# Altium PCB PCB.PcbDoc (part 1 of 3) (continued)
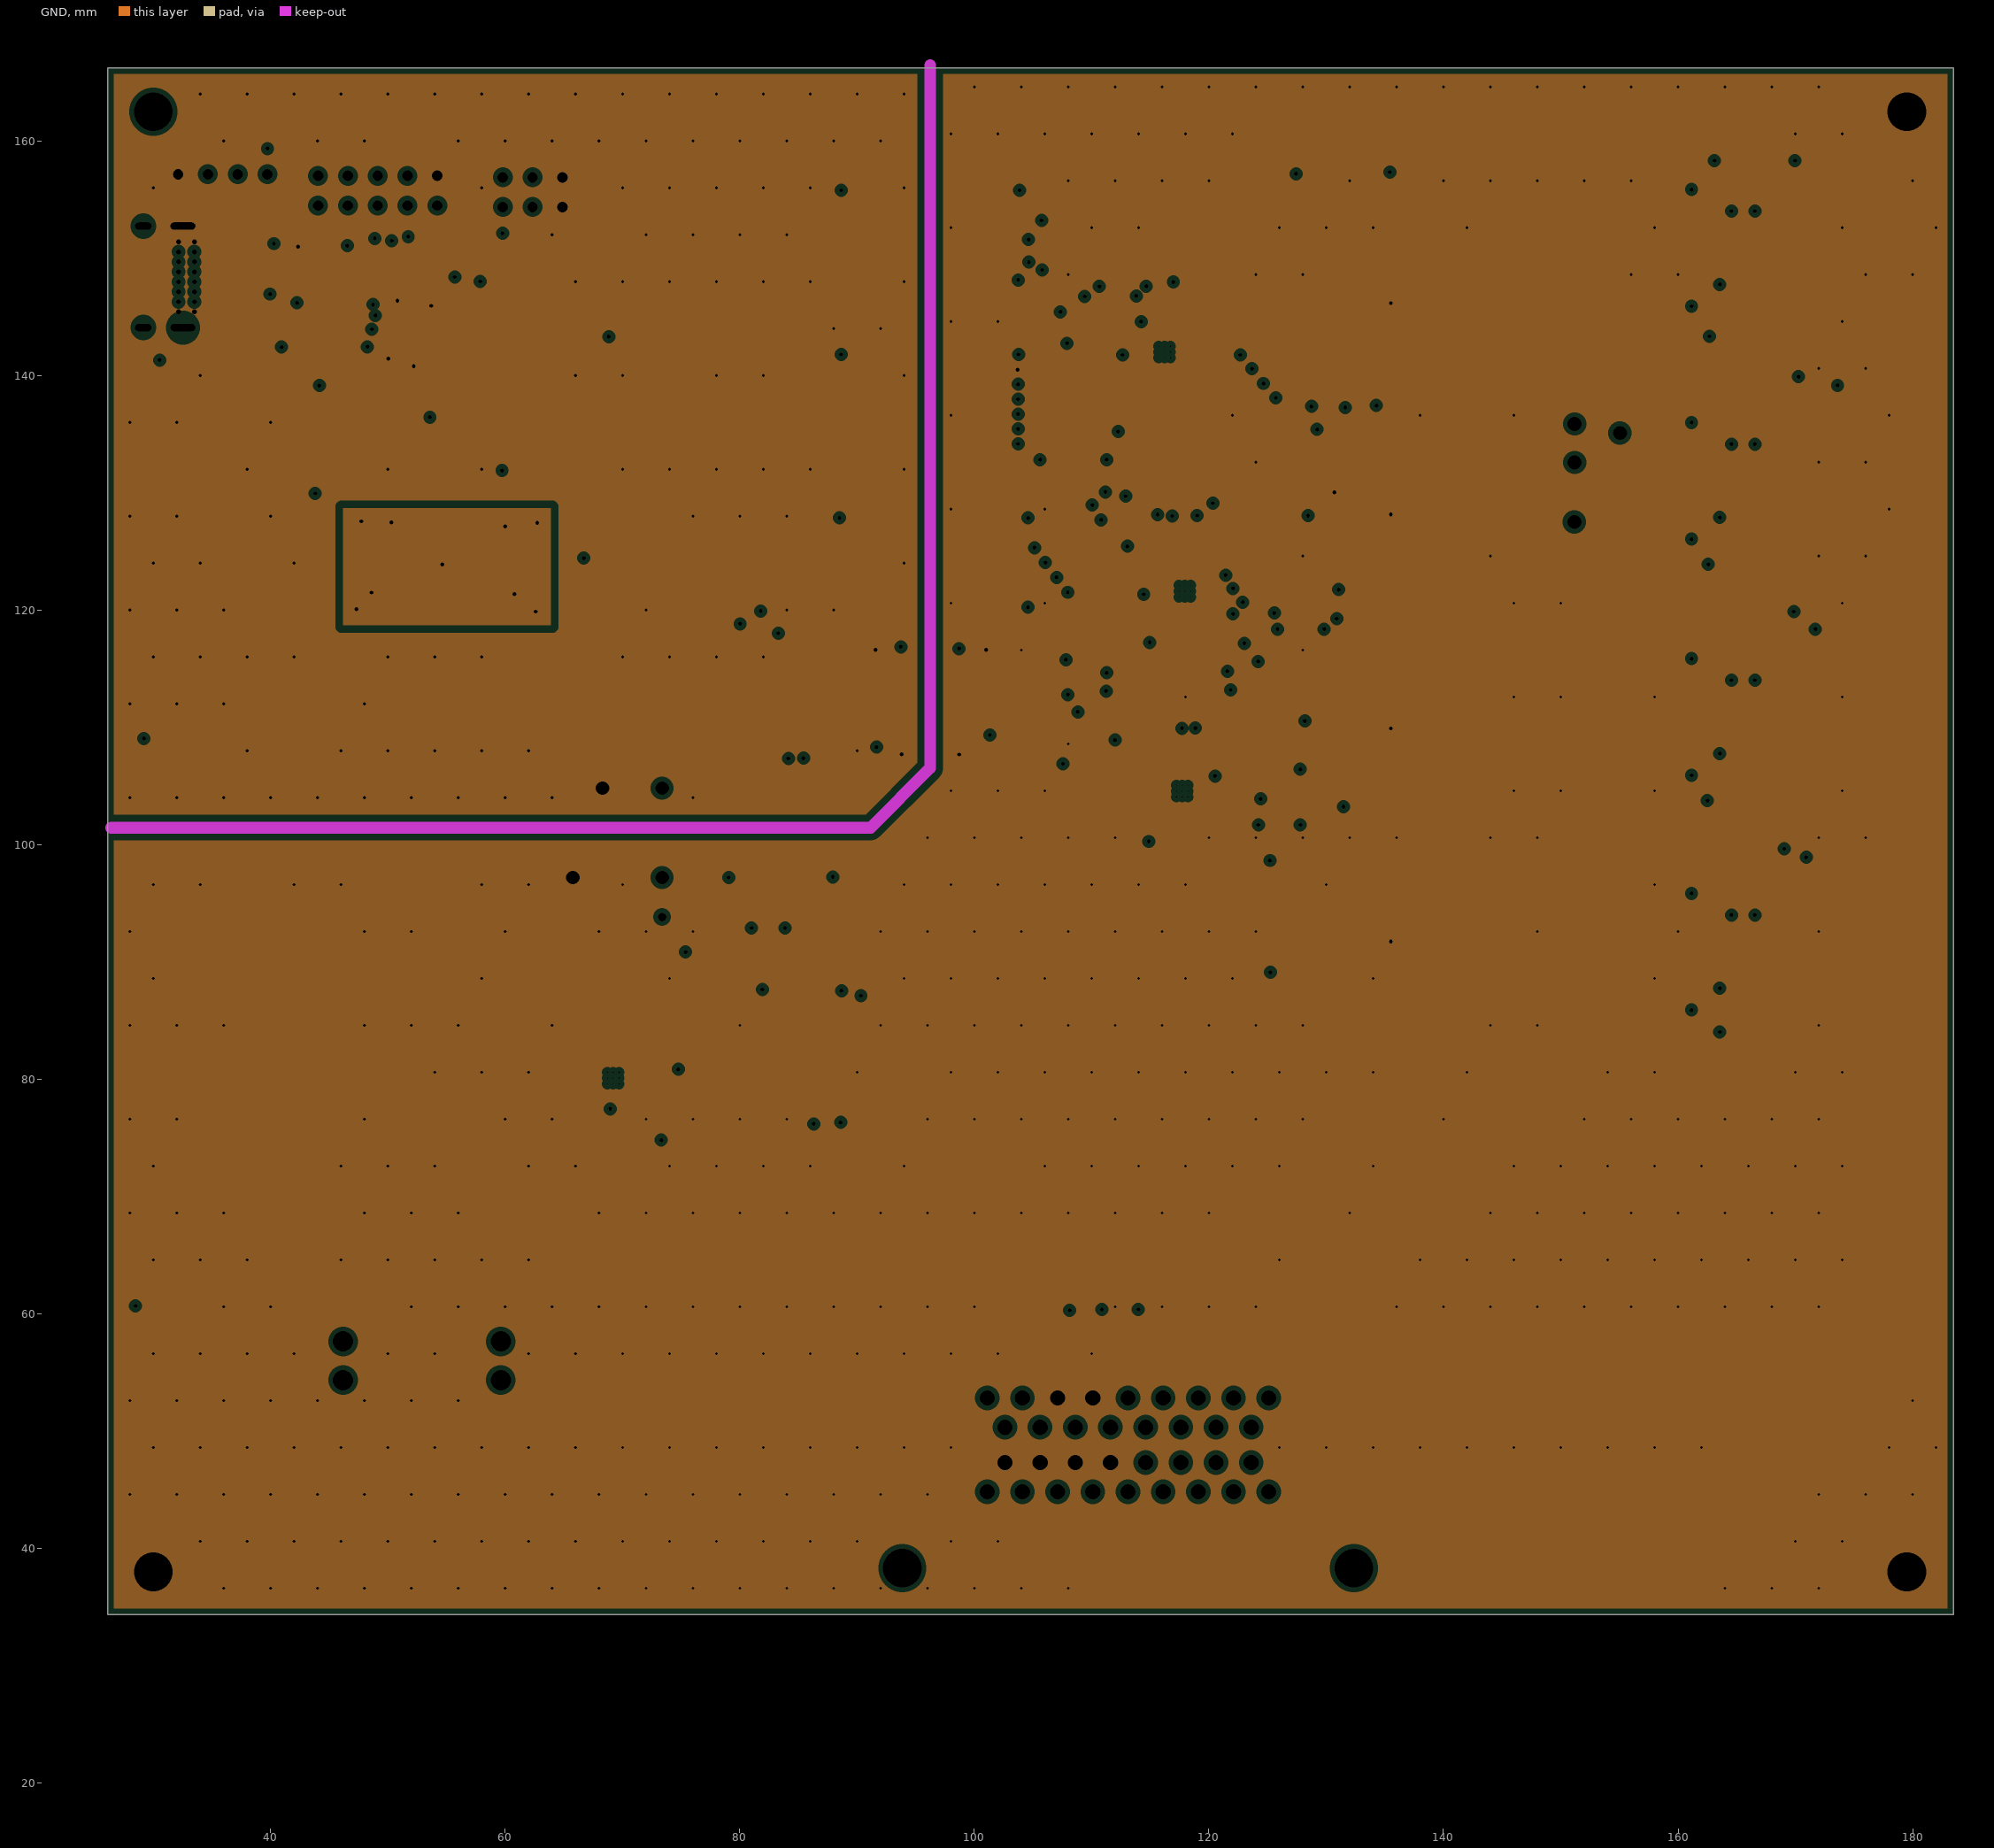
[diagram p3: GND, clearances drawn from the general rule]

## Layer stack, top to bottom
Top Solder: solder mask 0.0102, Solder Resist, Dk 3.5
Top Layer: signal copper 0.0356
Dielectric 2: prepreg 0.0711, PP-006, Dk 4.1
Power: plane copper 0.035, net (Multiple Nets)
Dielectric 1: dielectric 0.32, FR-4, Dk 4.8
GND: plane copper 0.035, net (Multiple Nets)
Dielectric 3: prepreg 0.0711, PP-006, Dk 4.1
Bottom Layer: signal copper 0.0356
Bottom Solder: solder mask 0.0102, Solder Resist, Dk 3.5

## Board outline
26.1,34.352 26.1,166.225 183.5,166.225 183.5,34.352

## Design rules (kind name [scope] priority, off if disabled: settings)
Clearance ClearanceSIG0V [InNet('SIG 0V') vs InNet('0V')] p1: gap=0.254 ignorepadtopadclearanceinfootprint=FALSE except(0: Arc-Hole Track-Hole SMDPad-Hole THPad-Hole Via-Hole Fill-Hole Poly-Hole Region-Hole Text-Hole; 0.1: THPad-THPad; 0.152: Arc-SMDPad Track-SMDPad SMDPad-SMDPad; 0.2: Arc-THPad Track-THPad SMDPad-THPad THPad-Via; 0.203: Arc-Arc Arc-Track Arc-Region Track-Track Track-Region SMDPad-Region THPad-Region Via-Region Fill-Region Poly-Region Region-Region; 0.245: SMDPad-Poly Via-Poly; 0.6: Arc-Poly THPad-Poly Fill-Poly)
Clearance ClearanceSIG0V_1 [InNet('SIG 0V')] p2: gap=0.254 ignorepadtopadclearanceinfootprint=FALSE except(0: Arc-Hole Track-Hole SMDPad-Hole THPad-Hole Via-Hole Fill-Hole Poly-Hole Region-Hole Text-Hole; 0.1: THPad-THPad; 0.152: Arc-SMDPad Track-SMDPad SMDPad-SMDPad; 0.2: Arc-THPad Track-THPad SMDPad-THPad THPad-Via; 0.203: Arc-Arc Arc-Track Arc-Region Track-Track Track-Region SMDPad-Region THPad-Region Via-Region Fill-Region Poly-Region Region-Region; 0.245: Via-Poly; 0.6: Arc-Poly THPad-Poly Fill-Poly)
Clearance [All] p3: gap=0.254 ignorepadtopadclearanceinfootprint=FALSE except(0: Arc-Hole Track-Hole SMDPad-Hole THPad-Hole Via-Hole Fill-Hole Poly-Hole Region-Hole Text-Hole; 0.1: THPad-THPad; 0.152: Arc-SMDPad Track-SMDPad SMDPad-SMDPad; 0.2: Arc-THPad Track-THPad SMDPad-THPad THPad-Via; 0.203: Arc-Arc Arc-Track Arc-Region Track-Track Track-Region SMDPad-Region THPad-Region Via-Region Fill-Region Poly-Region Region-Region; 0.6: Arc-Poly Track-Poly SMDPad-Poly THPad-Poly Via-Poly Fill-Poly Poly-Poly)
ComponentClearance ComponentClearance_1 [HasFootprint('MAXM17631AME+T') vs HasFootprint('POINT_0_1')] p1: gap=0 collisioncheckmode=3 verticalgap=0 showdistances=FALSE
ComponentClearance [All] p2: gap=0.254 collisioncheckmode=3 verticalgap=0.254 showdistances=FALSE
Height [All] p1: minheight=0 maxheight=50 prefheight=12.7
HoleSize [All] p1: absolutevalues=TRUE maxlimit=10 minlimit=0.025 maxpercent=80.000 minpercent=20.000
PlaneClearance [All] p1: clearance=0.4
PlaneConnect [All] p1: pad.planeconnectstyle=Relief pad.reliefexpansion=0.508 pad.reliefentries=4 pad.reliefconductorwidth=0.8 pad.reliefairgap=0.254 via.planeconnectstyle=Direct via.reliefexpansion=0.508 via.reliefentries=4 via.reliefconductorwidth=0.8 via.reliefairgap=0.254
PolygonConnect PolygonConnectSIG0V [InNet('SIG 0V') vs HasFootprint('MAXM17631AME+T')] p1: thpad.connectstyle=Relief thpad.reliefconductorwidth=0.6 thpad.reliefentries=4 thpad.polygonreliefangle="90 Angle" thpad.airgapwidth=0.254 smdpad.connectstyle=Direct smdpad.reliefconductorwidth=0.6 smdpad.reliefentries=4 smdpad.polygonreliefangle="90 Angle" smdpad.airgapwidth=0.254 via.connectstyle=Direct via.reliefconductorwidth=0.6 via.reliefentries=4 via.polygonreliefangle="90 Angle" via.airgapwidth=0.254
PolygonConnect PolygonConnectSIG0VSTAR [InNet('SIG 0V') vs HasFootprint('POINT_0_1')] p2: thpad.connectstyle=Relief thpad.reliefconductorwidth=0.6 thpad.reliefentries=4 thpad.polygonreliefangle="90 Angle" thpad.airgapwidth=0.254 smdpad.connectstyle=Relief smdpad.reliefconductorwidth=0.6 smdpad.reliefentries=4 smdpad.polygonreliefangle="90 Angle" smdpad.airgapwidth=0.254 via.connectstyle=Direct via.reliefconductorwidth=0.6 via.reliefentries=4 via.polygonreliefangle="90 Angle" via.airgapwidth=0.254
PolygonConnect PolygonConnect0VSTAR [InNet('0V') vs HasFootprint('POINT_0_1')] p3: thpad.connectstyle=Relief thpad.reliefconductorwidth=0.6 thpad.reliefentries=4 thpad.polygonreliefangle="90 Angle" thpad.airgapwidth=0.254 smdpad.connectstyle=Direct smdpad.reliefconductorwidth=0.6 smdpad.reliefentries=4 smdpad.polygonreliefangle="90 Angle" smdpad.airgapwidth=0.254 via.connectstyle=Direct via.reliefconductorwidth=0.6 via.reliefentries=4 via.polygonreliefangle="90 Angle" via.airgapwidth=0.254
PolygonConnect PolygonConnect0VEPADVIAREG [InNet('0V') vs HasFootprint('MAXM17631AME+T')] p4: thpad.connectstyle=Relief thpad.reliefconductorwidth=0.6 thpad.reliefentries=4 thpad.polygonreliefangle="90 Angle" thpad.airgapwidth=0.254 smdpad.connectstyle=Direct smdpad.reliefconductorwidth=0.6 smdpad.reliefentries=4 smdpad.polygonreliefangle="90 Angle" smdpad.airgapwidth=0.254 via.connectstyle=Direct via.reliefconductorwidth=0.6 via.reliefentries=4 via.polygonreliefangle="90 Angle" via.airgapwidth=0.254
PolygonConnect PolygonConnect_1 [All] p5: thpad.connectstyle=Relief thpad.reliefconductorwidth=0.6 thpad.reliefentries=4 thpad.polygonreliefangle="90 Angle" thpad.airgapwidth=0.6 smdpad.connectstyle=Relief smdpad.reliefconductorwidth=0.6 smdpad.reliefentries=4 smdpad.polygonreliefangle="90 Angle" smdpad.airgapwidth=0.6 via.connectstyle=Direct via.reliefconductorwidth=0.6 via.reliefentries=4 via.polygonreliefangle="90 Angle" via.airgapwidth=0.6
RoutingVias [All] p1: holewidth=0.711 width=1.27 viastyle="Through Hole" minholewidth=0.1 minwidth=0.15 maxholewidth=0.711 maxwidth=1.27
ShortCircuit [All vs InPadClass('All Pads')] p1: allowed=FALSE
SolderMaskExpansion [All] p1: expansion=0.051 istentingtop=FALSE
Width Width_1 [InNet('SIG 0V')] p1: maxlimit=3 minlimit=0.1 preferedwidth=0.5 minimp=50.000000 maximp=50.000000 favimp=50.000000
Width [All] p2: maxlimit=3 minlimit=0.127 preferedwidth=0.5
24 further rules are at their usual default settings.

## Classes and differential pairs
channel class "Smart Driver Circuit": SD1 SD2 SD3 SD4
channel class "PWM Outputs": HBA HBB HBC HBD
component class SD4: C14_SD4 C15_SD4 C16_SD4 C17_SD4 R15_SD4 R16_SD4 R17_SD4 R18_SD4 R19_SD4 R20_SD4 R21_SD4 R22_SD4 R23_SD4 U3_SD4
component class SD3: C14_SD3 C15_SD3 C16_SD3 C17_SD3 R15_SD3 R16_SD3 R17_SD3 R18_SD3 R19_SD3 R20_SD3 R21_SD3 R22_SD3 R23_SD3 U3_SD3
component class SD2: C14_SD2 C15_SD2 C16_SD2 C17_SD2 R15_SD2 R16_SD2 R17_SD2 R18_SD2 R19_SD2 R20_SD2 R21_SD2 R22_SD2 R23_SD2 U3_SD2
component class SD1: C14_SD1 C15_SD1 C16_SD1 C17_SD1 R15_SD1 R16_SD1 R17_SD1 R18_SD1 R19_SD1 R20_SD1 R21_SD1 R22_SD1 R23_SD1 U3_SD1
component class HBD: C60_HBD C65_HBD C66_HBD C67_HBD R39_HBD U13_HBD
component class HBC: C60_HBC C65_HBC C66_HBC C67_HBC R39_HBC U13_HBC
component class HBB: C60_HBB C65_HBB C66_HBB C67_HBB R39_HBB U13_HBB
component class HBA: C60_HBA C65_HBA C66_HBA C67_HBA R39_HBA U13_HBA
component class "U_PWM Signal Isolation": U14
component class "U_Power Supply": *1 *2 *3 C18 C19 C20 C21 C22 C23 C24 C29 C30 C31 C32 C33 C34 C35 C36 C37 C38 D4 D5 D6 D7 F1 J2 L1 L2 R24 R25 R26 R27 R28 U5 U6
component class "Power Outputs": *4 *5 *6 C51 C52 C53 C54 C55 C56 C57 C58 C59 R30 R31 R32
component class U_Microcontroller: BOOT1 C1 C2 C3 C4 C6 C8 C9 C12 C13 "CAN RX INDC1" "CAN TX INDC1" D1 D2 D3 R00 R1 R2 R3 R4 R5 R6 R7 R8 R9 R10 R11 R12 R13 R14 SERIAL1 STLINK1 U1 USB1 X1 X2
component class "U_Digital Isolation": R33 R34 R35 R36 R37 R38 U10 U11 U12
component class U_CAN: C39 C40 C41 C42 C43 C44 C45 C46 C47 C48 C49 C50 R29 U7 U8 U9
component class Top_Level: J1

## Components (designator, comment, footprint, x,y, rotation, side; value= is the part's Value field where it differs from the comment)
*1 "SQJA88EP-T1_GE3" "PowerPak SO-8" 43.825,80.002 r90 top
*2 "LM74610QDGKTQ1" SOP65P490X110-8N 38.342,71.777 r90 top
*3 "NKE0505DC" NKE0505DC 65.755,97.207 r0 top
*4 "ADS7028IRTER-Symbol-1" QFN50P300X300X80_HS-17N 116.215,142.007 r180 top
*5 "ADS7028IRTER-Symbol-1" QFN50P300X300X80_HS-17N 117.72,104.562 r180 top
*6 "ADS7028IRTER-Symbol-1" QFN50P300X300X80_HS-17N 117.944,121.611 r180 top
BOOT1 "" "TH 2.54mm Header 2x3" 59.79,154.367 r0 top
C1 "100nF" 0805 57.55,134.525 r90 top
C2 "1µF" 0805 44.375,137.325 r0 top
C3 "100nF" 0805 60.85,148 r180 top
C4 "100nF" 0805 43.2,140.9 r0 top
C6 "100nF" 0805 44.176,150.063 r270 top
C8 "22pF" 0805 47.598,131.38 r180 top
C9 "22pF" 0805 51.25,133.109 r90 top
C12 "22pF" 0805 56.737,120.4 r0 top
C13 "22pF" 0805 52.325,120.4 r0 top
C14_SD1 "100pF" 0805 133.881,140.532 r270 top (schematic designator C14)
C14_SD2 "100pF" 0805 133.881,122.277 r270 top (schematic designator C14)
C14_SD3 "100pF" 0805 133.881,104.116 r270 top (schematic designator C14)
C14_SD4 "100pF" 0805 133.881,85.966 r270 top (schematic designator C14)
C15_SD1 "100pF" 0805 130.732,147.115 r270 top (schematic designator C15)
C15_SD2 "100pF" 0805 130.732,129.09 r270 top (schematic designator C15)
C15_SD3 "100pF" 0805 130.732,110.854 r270 top (schematic designator C15)
C15_SD4 "100pF" 0805 130.732,92.698 r270 top (schematic designator C15)
C16_SD1 "10nF" 0805 146.508,151.555 r270 top (schematic designator C16)
C16_SD2 "10nF" 0805 146.529,133.53 r270 top (schematic designator C16)
C16_SD3 "10nF" 0805 146.529,115.294 r270 top (schematic designator C16)
C16_SD4 "10nF" 0805 146.529,97.138 r270 top (schematic designator C16)
C17_SD1 "10nF" 0805 146.508,144.599 r90 top (schematic designator C17)
C17_SD2 "10nF" 0805 146.508,126.574 r90 top (schematic designator C17)
C17_SD3 "10nF" 0805 146.508,108.338 r90 top (schematic designator C17)
C17_SD4 "10nF" 0805 146.508,90.182 r90 top (schematic designator C17)
C18 "2.2uF" 0805 34.5,71.852 r90 top
C19 "10uF" 0805 56.8,91.352 r90 top
C20 "10uF" 0805 61.088,85.425 r180 top
C21 "100nF" 0805 61.088,87.775 r180 top
C22 "100nF" 0603 54.95,97.927 r0 top
C23 "100pF" 0805 47.4,74.4 r180 top
C24 "220uF" "Vishay Radial 1213" 38.75,92.002 r0 top
C29 "22uF" 1210 70.225,74.375 r90 top
C30 "4.7uF" "1206 CAP" 65.725,82.36 r90 top
C31 "100nF" 0805 66.48,76.275 r0 top
C32 "2.2uF" 0805 68.075,85.85 r270 top
C33 "6.8nF" 0805 70.35,85.898 r90 top
C34 "100nF" 0603 68.4,119.925 r180 top
C35 "4.7uF" "1206 CAP" 61.1,114.09 r270 top
C36 "1µF" 0805 64.175,114.588 r270 top
C37 "100nF" 0603 68.4,113.65 r180 top
C38 "1µF" 0805 67.638,122.125 r180 top
C39 "100nF" 0805 81.45,110.15 r270 top
C40 "100nF" 0805 77.875,88.576 r0 top
C41 "10nF" 0805 78.976,110.15 r270 top
C42 "100nF" 0805 76.401,110.15 r270 top
C43 "10nF" 0805 83.9,110.15 r270 top
C44 "100nF" 0805 77.875,90.964 r0 top
C45 "10nF" 0805 77.775,83.802 r0 top
C46 "10nF" 0805 77.875,86.189 r0 top
C47 "100pF" 0805 81.375,82.327 r90 top
C48 "100pF" 0805 83.992,82.402 r90 top
C49 "100pF" 0805 90.275,90.177 r90 top
C50 "100pF" 0805 85.138,90.077 r90 top
C51 "1µF" 0805 111.7,141.783 r0 top
C52 "1µF" 0805 115.072,137.435 r90 top
C53 "1µF" 0805 111.7,139.552 r0 top
C54 "1µF" 0805 112.002,104.458 r0 top
C55 "1µF" 0805 117.375,99.702 r90 top
C56 "1µF" 0805 112.002,102.172 r0 top
C57 "1µF" 0805 113.499,121.372 r0 top
C58 "1µF" 0805 116.825,117.027 r90 top
C59 "1µF" 0805 113.499,119.077 r0 top
C60_HBA "10uF" 0805 166.494,141.202 r180 top (schematic designator C60)
C60_HBB "10uF" 0805 166.494,121.252 r180 top (schematic designator C60)
C60_HBC "10uF" 0805 166.494,101.002 r180 top (schematic designator C60)
C60_HBD "10uF" 0805 166.47,81.052 r180 top (schematic designator C60)
C65_HBA "100nF" 0805 166.494,143.577 r180 top (schematic designator C65)
C65_HBB "100nF" 0805 166.494,123.677 r180 top (schematic designator C65)
C65_HBC "100nF" 0805 166.494,103.452 r180 top (schematic designator C65)
C65_HBD "100nF" 0805 166.47,83.502 r180 top (schematic designator C65)
C66_HBA "22nF" 0805 170.513,146.627 r90 top (schematic designator C66)
C66_HBB "22nF" 0805 170.513,126.752 r90 top (schematic designator C66)
C66_HBC "22nF" 0805 170.513,106.652 r90 top (schematic designator C66)
C66_HBD "22nF" 0805 170.513,86.602 r90 top (schematic designator C66)
C67_HBA "22nF" 0805 170.513,154.921 r90 top (schematic designator C67)
C67_HBB "22nF" 0805 170.513,135.064 r90 top (schematic designator C67)
C67_HBC "22nF" 0805 170.513,114.924 r90 top (schematic designator C67)
C67_HBD "22nF" 0805 170.513,94.914 r90 top (schematic designator C67)
"CAN RX INDC1" "" "0805 LED" 73.587,141.147 r0 top
"CAN TX INDC1" "" "0805 LED" 73.507,138.607 r0 top
D1 "" "0805 LED" 31.124,108.1 r270 top
D2 "" "0805 LED" 43.359,131.888 r180 top
D3 "SD560BTR" "SMB Diode" 30.525,138.575 r270 top
D4 "SM6T36CAY" "ST SMB DIODE" 33.8,80.302 r0 top
D5 "Red" "0805 LED" 63.325,91.252 r90 top
D6 "Red" "0805 LED" 30.649,61.637 r90 top
D7 "Red" "0805 LED" 39.575,108.1 r270 top
F1 "0ZCF0100AF2A" 2920 52.475,87.877 r90 top
J1 "" 6437288-1 113.1,48.825 r0 top
J2 "3557-2" 35572 59.625,54.348 r180 top
L1 "12uH" 1812 60.15,92.652 r90 top
L2 "47 uH" 82473C 70.475,109.425 r0 top
R00 "0R" 0805 57.524,129.137 r270 top
R1 "10k" 0805 59.75,134.477 r270 top
R2 "" 0805 33.85,108.1 r270 top value=510R
R3 "" 0805 43.407,134.301 r180 top value=510R
R4 "" 0805 77.698,138.607 r180 top value=680R
R5 "" 0805 77.698,141.147 r180 top value=680R
R6 "NTCS0805E3103FLT" 0805 55.305,134.525 r90 top value="10K (NTC) (B25/85 3430K)"
R7 "" 0805 65.251,143.546 r0 top value=10k
R8 "10k" 0805 43.2,144.4 r0 top
R9 "1.5k" 0805 37.438,148.81 r180 top
R10 "20k" 0805 37.438,151.218 r0 top
R11 "20k" 0805 37.438,146.443 r0 top
R12 "5.1k" 0805 37.438,153.605 r0 top
R13 "5.1k" 0805 37.438,144.056 r0 top
R14 "10M" 0805 54.15,127.575 r0 top
R15_SD1 "4.7k" 0805 133.08,147.139 r90 top (schematic designator R15)
R15_SD2 "4.7k" 0805 133.095,129.114 r90 top (schematic designator R15)
R15_SD3 "4.7k" 0805 133.095,110.878 r90 top (schematic designator R15)
R15_SD4 "4.7k" 0805 133.095,92.722 r90 top (schematic designator R15)
R16_SD1 "4.7k" 0805 137.482,139.568 r180 top (schematic designator R16)
R16_SD2 "4.7k" 0805 137.483,121.313 r180 top (schematic designator R16)
R16_SD3 "4.7k" 0805 137.483,103.152 r180 top (schematic designator R16)
R16_SD4 "4.7k" 0805 137.483,85.002 r180 top (schematic designator R16)
R17_SD1 "1.8k" 0805 135.481,147.139 r90 top (schematic designator R17)
R17_SD2 "1.8k" 0805 135.481,129.114 r90 top (schematic designator R17)
R17_SD3 "1.8k" 0805 135.481,110.878 r90 top (schematic designator R17)
R17_SD4 "1.8k" 0805 135.481,92.722 r90 top (schematic designator R17)
R18_SD1 "1.8k" 0805 137.506,141.981 r0 top (schematic designator R18)
R18_SD2 "1.8k" 0805 137.507,123.778 r0 top (schematic designator R18)
R18_SD3 "1.8k" 0805 137.507,105.593 r0 top (schematic designator R18)
R18_SD4 "1.8k" 0805 137.507,87.446 r0 top (schematic designator R18)
R19_SD1 "10k" 0805 132.681,152.825 r270 top (schematic designator R19)
R19_SD2 "10k" 0805 132.681,134.8 r270 top (schematic designator R19)
R19_SD3 "10k" 0805 132.681,116.564 r270 top (schematic designator R19)
R19_SD4 "10k" 0805 132.962,98.408 r270 top (schematic designator R19)
R20_SD1 "10k" 0805 135.431,152.825 r270 top (schematic designator R20)
R20_SD2 "10k" 0805 135.431,134.8 r270 top (schematic designator R20)
R20_SD3 "10k" 0805 135.431,116.564 r270 top (schematic designator R20)
R20_SD4 "10k" 0805 135.431,98.408 r270 top (schematic designator R20)
R21_SD1 "47k" 0805 148.921,151.555 r270 top (schematic designator R21)
R21_SD2 "47k" 0805 148.942,133.53 r270 top (schematic designator R21)
R21_SD3 "47k" 0805 148.942,115.294 r270 top (schematic designator R21)
R21_SD4 "47k" 0805 148.942,97.138 r270 top (schematic designator R21)
R22_SD1 "10k" 0805 131.3,143.925 r0 top (schematic designator R22)
R22_SD2 "10k" 0805 130.775,125.675 r0 top (schematic designator R22)
R22_SD3 "10k" 0805 130.925,107.525 r0 top (schematic designator R22)
R22_SD4 "10k" 0805 131.25,89.325 r0 top (schematic designator R22)
R23_SD1 "47k" 0805 148.921,144.599 r90 top (schematic designator R23)
R23_SD2 "47k" 0805 148.921,126.574 r90 top (schematic designator R23)
R23_SD3 "47k" 0805 148.921,108.338 r90 top (schematic designator R23)
R23_SD4 "47k" 0805 148.921,90.182 r90 top (schematic designator R23)
R24 "0R" 0805 72.804,79.2 r90 top
R25 "15k" 0805 72.825,83.25 r270 top
R26 "20K" 0603 65.525,90.052 r90 top
R27 "2K" 0603 32.824,60.762 r90 top
R28 "2K" 0603 41.85,108.925 r270 top
R29 "0R" 0805 87.525,90.102 r90 top
R30 "100k" 0805 111.652,144.002 r180 top
R31 "100k" 0805 112.002,106.871 r180 top
R32 "100k" 0805 113.451,123.652 r180 top
R33 "20R" 0805 104.235,114.506 r180 top
R34 "20R" 0805 89.272,114.527 r0 top
R35 "20R" 0805 89.272,112.137 r0 top
R36 "20R" 0805 104.235,112.115 r180 top
R37 "20R" 0805 89.272,109.827 r0 top
R38 "20R" 0805 104.283,109.827 r0 top
R39_HBA "100k" 0805 166.518,158.352 r0 top (schematic designator R39)
R39_HBB "100k" 0805 166.518,138.577 r0 top (schematic designator R39)
R39_HBC "100k" 0805 166.518,118.402 r0 top (schematic designator R39)
R39_HBD "100k" 0805 166.518,98.302 r0 top (schematic designator R39)
SERIAL1 "" "TH 2.54mm Header 1x4" 39.724,157.161 r180 top
STLINK1 "" "TH 2.54mm Header 2x5" 54.202,157.034 r180 top
U1 "" "STM 48-LQFP" 51.09,143.699 r0 top
U3_SD1 "BTF6070-2ERV" SOIC127P600X115-15N-V1 141.175,148.077 r0 top (schematic designator U3)
U3_SD2 "BTF6070-2ERV" SOIC127P600X115-15N-V1 141.175,130.052 r0 top (schematic designator U3)
U3_SD3 "BTF6070-2ERV" SOIC127P600X115-15N-V1 141.175,111.816 r0 top (schematic designator U3)
U3_SD4 "BTF6070-2ERV" SOIC127P600X115-15N-V1 141.175,93.66 r0 top (schematic designator U3)
U5 "MAXM17631AME+T" MAXM17631AME+T 69.2,80.1 r90 top
U6 "TLV70033-Q1" "TI SOT-23-5" 66.7,115.575 r0 top
U7 "" "AD SOIC-W 20" 83.521,100.11 r180 top
U8 "B82787C0104H002" "TDK 4-PC Pad" 86.15,81.577 r90 top value="100µH @ 100kHz"
U9 "NUP2105L" "ON SOT-23" 81.951,90.127 r180 top
U10 "ADuM1400" "AD 16-SOIC" 96.366,150.049 r270 top
U11 "ADuM1400" "AD 16-SOIC" 96.239,136.079 r270 top
U12 "ADI-ADUM7441-RQ-16" ADI-RQ-16_M 96.238,111.806 r0 top
U13_HBA "IFX9201SGAUMA1" CONV_IFX9201SGAUMA1 165.056,150.884 r90 top (schematic designator U13)
U13_HBB "IFX9201SGAUMA1" CONV_IFX9201SGAUMA1 165.056,131.027 r90 top (schematic designator U13)
U13_HBC "IFX9201SGAUMA1" CONV_IFX9201SGAUMA1 165.056,110.887 r90 top (schematic designator U13)
U13_HBD "IFX9201SGAUMA1" CONV_IFX9201SGAUMA1 165.056,90.877 r90 top (schematic designator U13)
U14 "ADuM1400" "AD 16-SOIC" 96.239,122.152 r270 top
USB1 "" USB4085-GF-A 29.466,148.545 r270 top
X1 "8MHz" "Abracon HC-49/US" 54.7,123.975 r0 top
X2 "" "EPSON 2-SMD" 47.844,134.047 r0 top value=32.768kHz
